# Altium PCB eHorglass.PcbDoc
Units mm, origin at the board's own origin, x right, y up, seen from the top; angles counter-clockwise.
Board outline 46 x 92 mm, 4 copper layers (Top Layer, PWR, GND, Bottom Layer), stack 1.586 mm thick; 62 components, 72 nets, 329 pads, 94 vias.
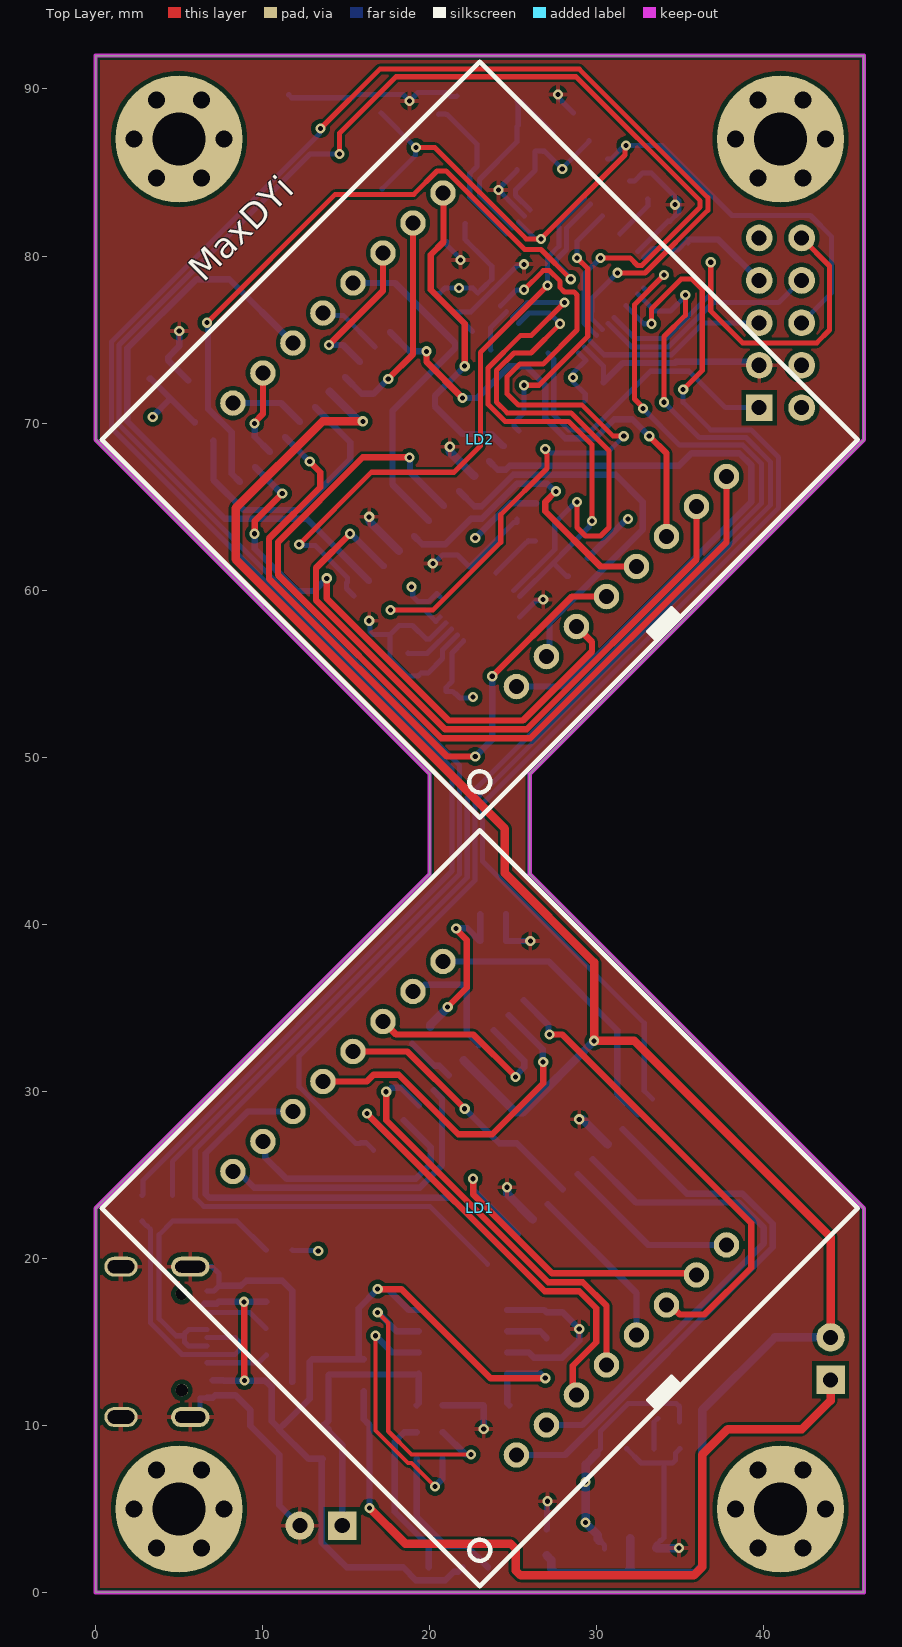
[diagram p0: Top Layer view]
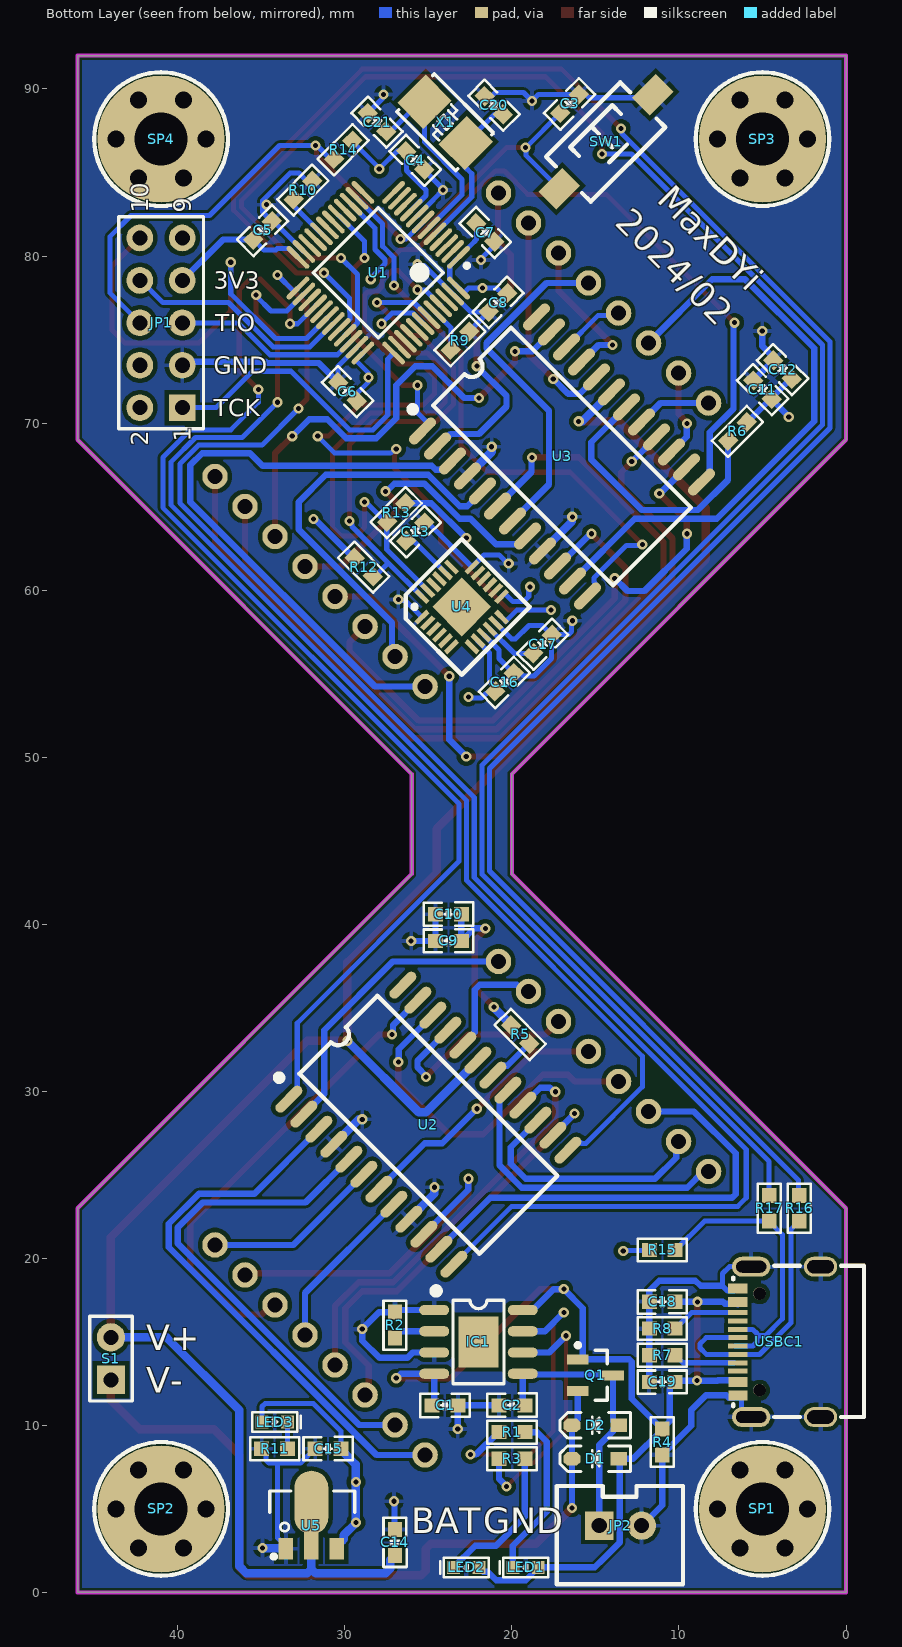
[diagram p1: Bottom Layer view, seen from below]
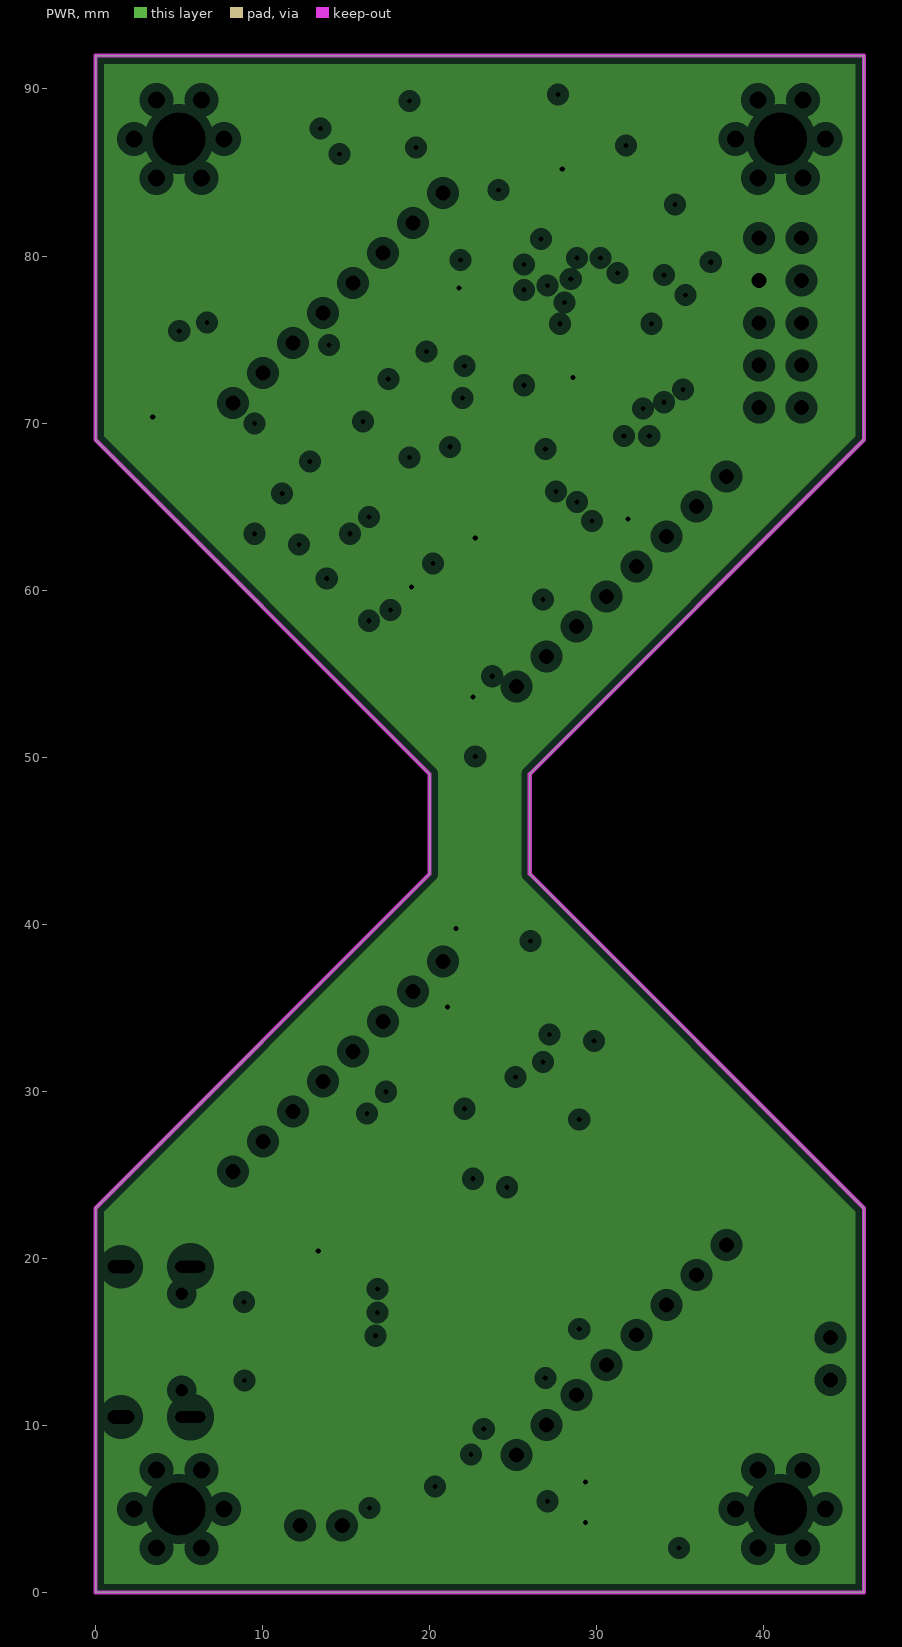
[diagram p2: PWR, clearances drawn from the general rule]
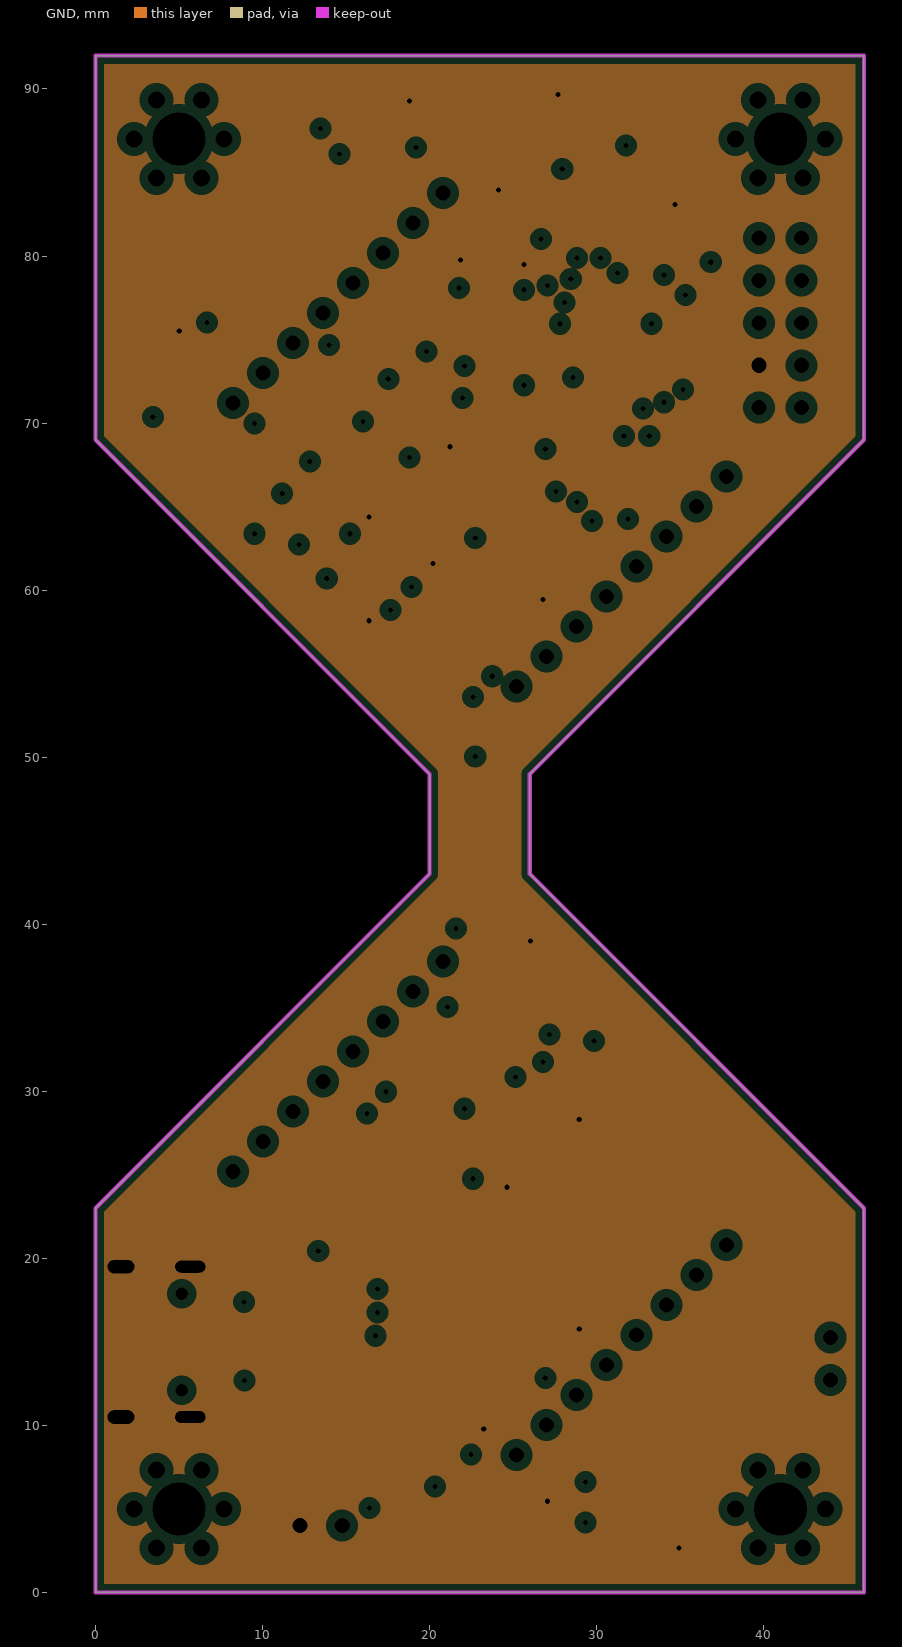
[diagram p3: GND, clearances drawn from the general rule]

## Layer stack, top to bottom
Top Solder: solder mask 0.01, Solder Resist, Dk 3.5
Top Layer: signal copper 0.035
Dielectric 2: prepreg 0.2104, PP-006, Dk 4.1
PWR: plane copper 0.0152, net 3V3
Dielectric 1: dielectric 1.065, FR-4, Dk 4.8
GND: plane copper 0.0152, net GND
Dielectric 3: prepreg 0.2104, PP-006, Dk 4.1
Bottom Layer: signal copper 0.035
Bottom Solder: solder mask 0.01, Solder Resist, Dk 3.5

## Board outline
0,0 0,23 20,43 20,49 0,69 0,92 46,92 46,69 26,49 26,43 46,23 46,0

## Design rules (kind name [scope] priority, off if disabled: settings)
Clearance [All] p1: gap=0.254 ignorepadtopadclearanceinfootprint=FALSE except(0: SMDPad-Hole THPad-Hole Via-Hole Fill-Hole Poly-Hole Region-Hole Text-Hole; 0.152: Arc-Arc Arc-Track Arc-SMDPad Arc-THPad Arc-Via Arc-Fill Arc-Poly Arc-Region Arc-Text Arc-Hole Track-Track Track-SMDPad Track-THPad Track-Via Track-Fill Track-Poly Track-Region Track-Text Track-Hole SMDPad-SMDPad)
HoleSize [All] p1: absolutevalues=TRUE maxlimit=3.81 minlimit=0.025 maxpercent=80.000 minpercent=20.000
MinimumSolderMaskSliver [All] p1: minsoldermaskwidth=0.025
PlaneClearance [All] p1: clearance=0.508
PlaneConnect [All] p1: planeconnectstyle=Relief reliefexpansion=0.508 reliefentries=4 reliefconductorwidth=0.254 reliefairgap=0.254
PolygonConnect [All] p1: connectstyle=Relief reliefconductorwidth=0.254 reliefentries=4 polygonreliefangle="90 Angle" airgapwidth=0.254
RoutingVias [All] p1: holewidth=0.711 width=1.27 viastyle="Through Hole" minholewidth=0.711 minwidth=1.27 maxholewidth=0.711 maxwidth=1.27
SilkToSilkClearance [All] p1: silktosilkclearance=0
SilkToSolderMaskClearance [IsPad] p1: minsilkscreentomaskgap=0 clearancetoexposedcopper=TRUE
SolderMaskExpansion [All] p1: expansion=0.102 istentingtop=FALSE
Width [All] p1: maxlimit=0.508 minlimit=0.152 preferedwidth=0.305 minimp=50.000000 maximp=50.000000 favimp=50.000000
24 further rules are at their usual default settings.

## Components (designator, comment, footprint, x,y, rotation, side; value= is the part's Value field where it differs from the comment)
C1 "10uF" C0603_M 24,11.2 r0 bottom
C2 "10uF" C0603_M 20,11.2 r180 bottom
C3 "100nF" C0603_M 16.55,89.114 r315 bottom
C4 "100nF" C0603_M 25.781,85.725 r45 bottom
C5 "100nF" C0603_M 34.925,81.534 r315 bottom
C6 "100nF" C0603_M 29.845,71.882 r225 bottom
C7 "100nF" C0603_M 21.59,81.407 r45 bottom
C8 "100nF" C0603_M 20.828,77.216 r135 bottom
C9 "100nF" C0603_M 23.8,39 r180 bottom
C10 "10uF" C0603_M 23.8,40.6 r180 bottom
C11 "100nF" C0603_M 5,72 r225 bottom
C12 "10uF" C0603_M 3.8,73.2 r225 bottom
C13 "10uF" C0603_M 25.781,63.5 r315 bottom
C14 "100nF" C0603_M 27,3 r270 bottom
C15 "100nF" C0603_M 31,8.6 r180 bottom
C16 "100nF" C0603_M 20.447,54.483 r315 bottom
C17 "100nF" C0603_M 18.161,56.769 r315 bottom
C18 "100nF" C0603_M 11,17.4 r0 bottom
C19 "100nF" C0603_M 11,12.6 r0 bottom
C20 "20pF" C0603_M 21.082,89.027 r225 bottom
C21 "20pF" C0603_M 28.067,88.011 r45 bottom
D1 "1N5819" SOD-323 15,8 r0 bottom
D2 "1N5819" SOD-323 15,10 r0 bottom
IC1 "TP4056" SOIC-8_EP 22,15 r180 bottom
JP1 "Header 5X2" HDR2.54-LI-2x5P 41,76 r90 bottom
JP2 "HDR-1X2" XH2.54-LI-2P 13.5,4 r180 bottom
LD1 "1588A" "LED 8*8-32-FH" 23,23 r45 top locked
LD2 "1588A" "LED 8*8-32-FH" 23,69 r45 top locked
LED1 "RED" LED0603_R 19.177,1.5 r0 bottom
LED2 "GREEN" LED0603_G 22.733,1.5 r0 bottom
LED3 "RED" LED0603_R 34.2,10.2 r180 bottom
Q1 "AO3401" SOT23-3N 15,13 r180 bottom
R1 "1K" R0603_M 20,9.6 r180 bottom
R2 "2K" R0603_M 27,16 r270 bottom
R3 "1K" R0603_M 20,8 r180 bottom
R4 "10K" R0603_M 11,9 r90 bottom
R5 "20K" R0603_M 19.5,33.4 r45 bottom
R6 "20K" R0603_M 6.5,69.5 r135 bottom
R7 "5.1K" R0603_M 11,14.2 r180 bottom
R8 "5.1K" R0603_M 11,15.8 r180 bottom
R9 "10K" R0603_M 23.114,74.93 r315 bottom
R10 "10K" R0603_M 32.512,83.947 r315 bottom
R11 "1K" R0603_M 34.2,8.6 r180 bottom
R12 "4.7K" R0603_M 28.869,61.381 r225 bottom
R13 "4.7K" R0603_M 26.924,64.643 r315 bottom
R14 "10K" R0603_M 30.099,86.36 r135 bottom
R15 "1K5" R0603_M 11,20.5 r180 bottom
R16 "22R" R0603_M 2.8,23 r90 bottom
R17 "22R" R0603_M 4.6,23 r90 bottom
S1 "KCD1-101" HDR2.54-LI-2P 44,14 r90 bottom
SP1 "M3铜柱" M3x20+6_N 5,5 r180 bottom locked
SP2 "M3铜柱" M3x20+6_N 41,5 r180 bottom locked
SP3 "M3铜柱" M3x20+6_N 5,87 r180 bottom locked
SP4 "M3铜柱" M3x20+6_N 41,87 r180 bottom locked
SW1 "3x6x5" "SW SMD-3*6*2.5" 14.351,86.868 r135 bottom
U1 "STM32F103C8T6" LQFP48_N 28,79 r315 bottom
U2 "MAX7219" SOIC-24W 25,28 r135 bottom
U3 "MAX7219" SOIC-24W 17,68 r135 bottom locked
U4 "MPU6050" QFN24-P50 23,59 r135 bottom
U5 "HT7533" SOT89_N 32,4 r180 bottom
USBC1 "TYPE-C 2.0 -16P" USB-C-SMD_16P 4,15 r270 bottom
X1 "8MHz" OSC-5032-2P 24,88 r225 bottom

## Footprints (in the part's own frame and the unit in brackets; to place one, negate y for a bottom-side part, rotate by r counter-clockwise, add the part's x,y. Pads: shape width x height; smd on the part's side, far side on the other; paste and mask are expansions set on the pad)
C0603_M [mm] "贴片MLCC电容"
  rect 0.9x0.85 smd: 1(-0.775,0) 2(0.775,0)
  silkscreen extent -1.48,-0.69 1.48,0.71, body extent -0.8,-0.4 0.8,0.4, height 0.8
HDR2.54-LI-2P [mm] "排针，2脚                         联系卖家 免费查找封装"
  rect 1.7x1.7 hole 0.9: 1(-1.27,0)
  round 1.7 hole 0.9: 2(1.27,0)
  silkscreen extent -2.54,-1.27 2.54,1.27, body extent -2.54,-1.27 2.54,1.27, height 2.54
HDR2.54-LI-2x5P [mm] "双排排针，5x2脚"
  rect 1.6x1.6 hole 0.9: 1(-5.08,-1.27)
  round 1.6 hole 0.9: 2(-5.08,1.27) 3(-2.54,-1.27) 4(-2.54,1.27) 5(0,-1.27) 6(0,1.27) 7(2.54,-1.27) 8(2.54,1.27) 9(5.08,-1.27) 10(5.08,1.27)
  silkscreen extent -6.35,-2.54 6.35,2.54, body extent -6.35,-2.54 6.35,2.54, height 8.5
LED0603_G [mil] "绿色0603LED"
  rect 30x30 smd: 1(-30,0) 2(30,0)
  silkscreen extent -53,-23 61,23, body extent -31,-16 31,16, height 18
LED0603_R [mil] "红色0603LED"
  rect 30x30 smd: 1(-30,0) 2(30,0)
  silkscreen extent -53,-23 61,23, body extent -31,-16 31,16, height 18
"LED 8*8-32-FH" [mil]
  round 60 hole 36: 1(-350,-472.44) 2(-250,-472.44) 3(-150,-472.44) 4(-50,-472.44) 5(50,-472.44) 6(150,-472.44) 7(250,-472.44) 8(350,-472.44) 9(350,472.44) 10(250,472.44) 11(150,472.44) 12(50,472.44) 13(-50,472.44) 14(-150,472.44) 15(-250,472.44) 16(-350,472.44)
  silkscreen extent -630,-630 630,630, body extent -630,-630 630,630, height 429
LQFP48_N [mm] "Thin QFP, 48-Leads, Body 7x7mm, Pitch 0.5mm, IPC Medium Density 封装库来自淘宝 ID：黄晶宝石"
  oval 1.8x0.3 smd: 1(-4.05,2.75) 2(-4.05,2.25) 3(-4.05,1.75) 4(-4.05,1.25) 5(-4.05,0.75) 6(-4.05,0.25) 7(-4.05,-0.25) 8(-4.05,-0.75) 9(-4.05,-1.25) 10(-4.05,-1.75) 11(-4.05,-2.25) 12(-4.05,-2.75) 25(4.05,-2.75) 26(4.05,-2.25) 27(4.05,-1.75) 28(4.05,-1.25) 29(4.05,-0.75) 30(4.05,-0.25) 31(4.05,0.25) 32(4.05,0.75) 33(4.05,1.25) 34(4.05,1.75) 35(4.05,2.25) 36(4.05,2.75)
  oval 0.3x1.8 smd: 13(-2.75,-4.05) 14(-2.25,-4.05) 15(-1.75,-4.05) 16(-1.25,-4.05) 17(-0.75,-4.05) 18(-0.25,-4.05) 19(0.25,-4.05) 20(0.75,-4.05) 21(1.25,-4.05) 22(1.75,-4.05) 23(2.25,-4.05) 24(2.75,-4.05) 37(2.75,4.05) 38(2.25,4.05) 39(1.75,4.05) 40(1.25,4.05) 41(0.75,4.05) 42(0.25,4.05) 43(-0.25,4.05) 44(-0.75,4.05) 45(-1.25,4.05) 46(-1.75,4.05) 47(-2.25,4.05) 48(-2.75,4.05)
  silkscreen extent -4.17,-2.75 2.75,3.57, body extent -4.5,-4.5 4.5,4.5, height 1.45
M3x20+6_N [mil] "M3铜柱，长：20mm，螺纹长：6mm"
  round 40 hole 40: 1(-106,0) 1(-53,-91.8) 1(-53,91.8) 1(53,-91.8) 1(53,91.8) 1(106,0)
  round 300 hole 125: 1(0,0)
  silkscreen extent -157,-157 157,157, body extent -106,-93 106,93, height 789
OSC-5032-2P [mm] "5mm*3.2mm*0.8mm(长*宽*高)"
  rect 2.2x2.4 smd: 1(-1.75,0) 2(1.75,0)
  silkscreen extent -2.5,-1.6 2.5,1.6, body extent -2.5,-1.6 2.5,1.6, height 0.86
QFN24-P50 [mm] "4mm*4mm 封装库来自淘宝卖家 ID：黄晶宝石"
  rect 1x0.3 smd: 1(-2.125,1.25) 2(-2.125,0.75) 3(-2.125,0.25) 4(-2.125,-0.25) 5(-2.125,-0.75) 6(-2.125,-1.25) 13(2.125,-1.25) 14(2.125,-0.75) 15(2.125,-0.25) 16(2.125,0.25) 17(2.125,0.75) 18(2.125,1.25)
  rect 0.3x1 smd: 7(-1.25,-2.125) 8(-0.75,-2.125) 9(-0.25,-2.125) 10(0.25,-2.125) 11(0.75,-2.125) 12(1.25,-2.125) 19(1.25,2.125) 20(0.75,2.125) 21(0.25,2.125) 22(-0.25,2.125) 23(-0.75,2.125) 24(-1.25,2.125)
  rect 2.5x2.5 smd: 25(0,0)
  silkscreen extent -2.88,-2.88 2.88,2.88, body extent -2.01,-2.01 2.01,2.01, height 0.95
R0603_M [mm] "1/10W贴片电阻"
  rect 0.9x0.85 smd: 1(-0.775,0) 2(0.775,0)
  silkscreen extent -1.48,-0.69 1.48,0.69, body extent -0.8,-0.4 0.8,0.4, height 0.4
SOD-323 [mm] "1.8x1.3X0.9mm（长宽高，不包括引脚）联系卖家 免费查找封装"
  rect 1x0.8 smd: 1(-1.4,0)
  oct 1x0.8 smd: 2(1.4,0)
  silkscreen extent -2.11,-0.76 2.11,0.76, body extent -1.32,-0.65 1.32,0.65, height 0.95
SOIC-8_EP [mm] "5*6*1.8mm（长宽高)         联系卖家 免费查找封装"
  oval 1.8x0.61 smd: 1(-2.65,1.905) 2(-2.65,0.635) 3(-2.65,-0.635) 4(-2.65,-1.905) 5(2.65,-1.905) 6(2.65,-0.635) 7(2.65,0.635) 8(2.65,1.905)
  rect 2.413x3.048 smd paste-2: 9(0,0)
  rect 0.9x0.7 on Bottom Paste: 10(-0.625,-1.1) 10(-0.625,0) 10(-0.625,1.1) 11(0.65,-1.1) 11(0.65,0) 11(0.65,1.1)
  silkscreen extent -2.69,-2.5 1.52,3.2, body extent -3,-2.5 3,2.5, height 1.53
SOIC-24W [mil] "封装库来自淘宝卖家 ID：黄晶宝石"
  oval 80x24 smd: 1(-190,275) 2(-190,225) 3(-190,175) 4(-190,125) 5(-190,75) 6(-190,25) 7(-190,-25) 8(-190,-75) 9(-190,-125) 10(-190,-175) 11(-190,-225) 12(-190,-275) 13(190,-275) 14(190,-225) 15(190,-175) 16(190,-125) 17(190,-75) 18(190,-25) 19(190,25) 20(190,75) 21(190,125) 22(190,175) 23(190,225) 24(190,275)
  silkscreen extent -175,-300 130,332, body extent -203,-303 203,303, height 106
SOT23-3N [mm] "SOT23, 3-Leads, Body 2.9x1.3mm, Pitch 0.95mm, Lead Span 2.4mm, IPC Medium Density  联系卖家 免费查找封装"
  rect 1.3x0.6 smd: 1(-1.05,0.95) 2(-1.05,-0.95) 3(1.05,0)
  silkscreen extent -1.18,-1.5 0.7,1.92, body extent -1.2,-1.5 1.2,1.5, height 1.05
SOT89_N [mil] "4.6x4.3x1.6mm(长宽高)                联系卖家 免费查找封装"
  rect 34.02x50 smd: 1(-60,-54.47) 3(60,-54.47)
  rect 34x100 smd: 2(0,-29.47)
  oval 80x150 smd: 2(0,54.47)
  silkscreen extent -98,-78 102,82, body extent -89,-73 93,96, height 63
"SW SMD-3*6*2.5" [mm] "3*6*2.5mm"
  rect 2x1.5 smd: 1(-3.996,-0.02) 2(3.937,0)
  silkscreen extent -3.21,-1.9 3.09,1.9, body extent -4,-1.75 4,1.75, height 2.59
USB-C-SMD_16P [mm] "封装库来自淘宝ID:黄晶宝石"
  oval 1.2x2.3 hole 0.7 slot 1.8 at 90 deg: 0(-4.5,-1.675) 0(4.5,-1.675)
  oval 1.2x2 hole 0.8 slot 1.6 at 90 deg: 0(-4.5,2.475) 0(4.5,2.475)
  rect 0.3x1.15 smd: A1(3.35,-2.473) A4(2.55,-2.471) A5(1.25,-2.475) A6(0.25,-2.475) A7(-0.25,-2.473) A9(-2.55,-2.475) A12(-3.35,-2.475) B1(-3.05,-2.475) B4(-2.25,-2.475) B5(-1.75,-2.475) B6(-0.75,-2.475) B7(0.75,-2.473) B9(2.25,-2.471) B12(3.05,-2.473)
  rect 0.3x1.148 smd: A8(1.75,-2.475) B8(-1.25,-2.475)
  round 0.75 hole 0.75 unplated: ""(-2.89,-1.175) ""(2.89,-1.175)
  silkscreen extent -4.56,-2.75 4.5,5.08, body extent -4.44,-2.87 4.5,5.03, height 3.25
XH2.54-LI-2P [mm] "接插件，2P"
  rect 1.7x1.7 hole 0.9: 1(-1.27,0)
  round 1.7 hole 0.9: 2(1.27,0)
  silkscreen extent -3.81,-3.51 3.74,2.37, body extent -3.77,-3.3 3.77,2.4, height 7.05
